# KiCad board access-controller.kicad_pcb (continued)
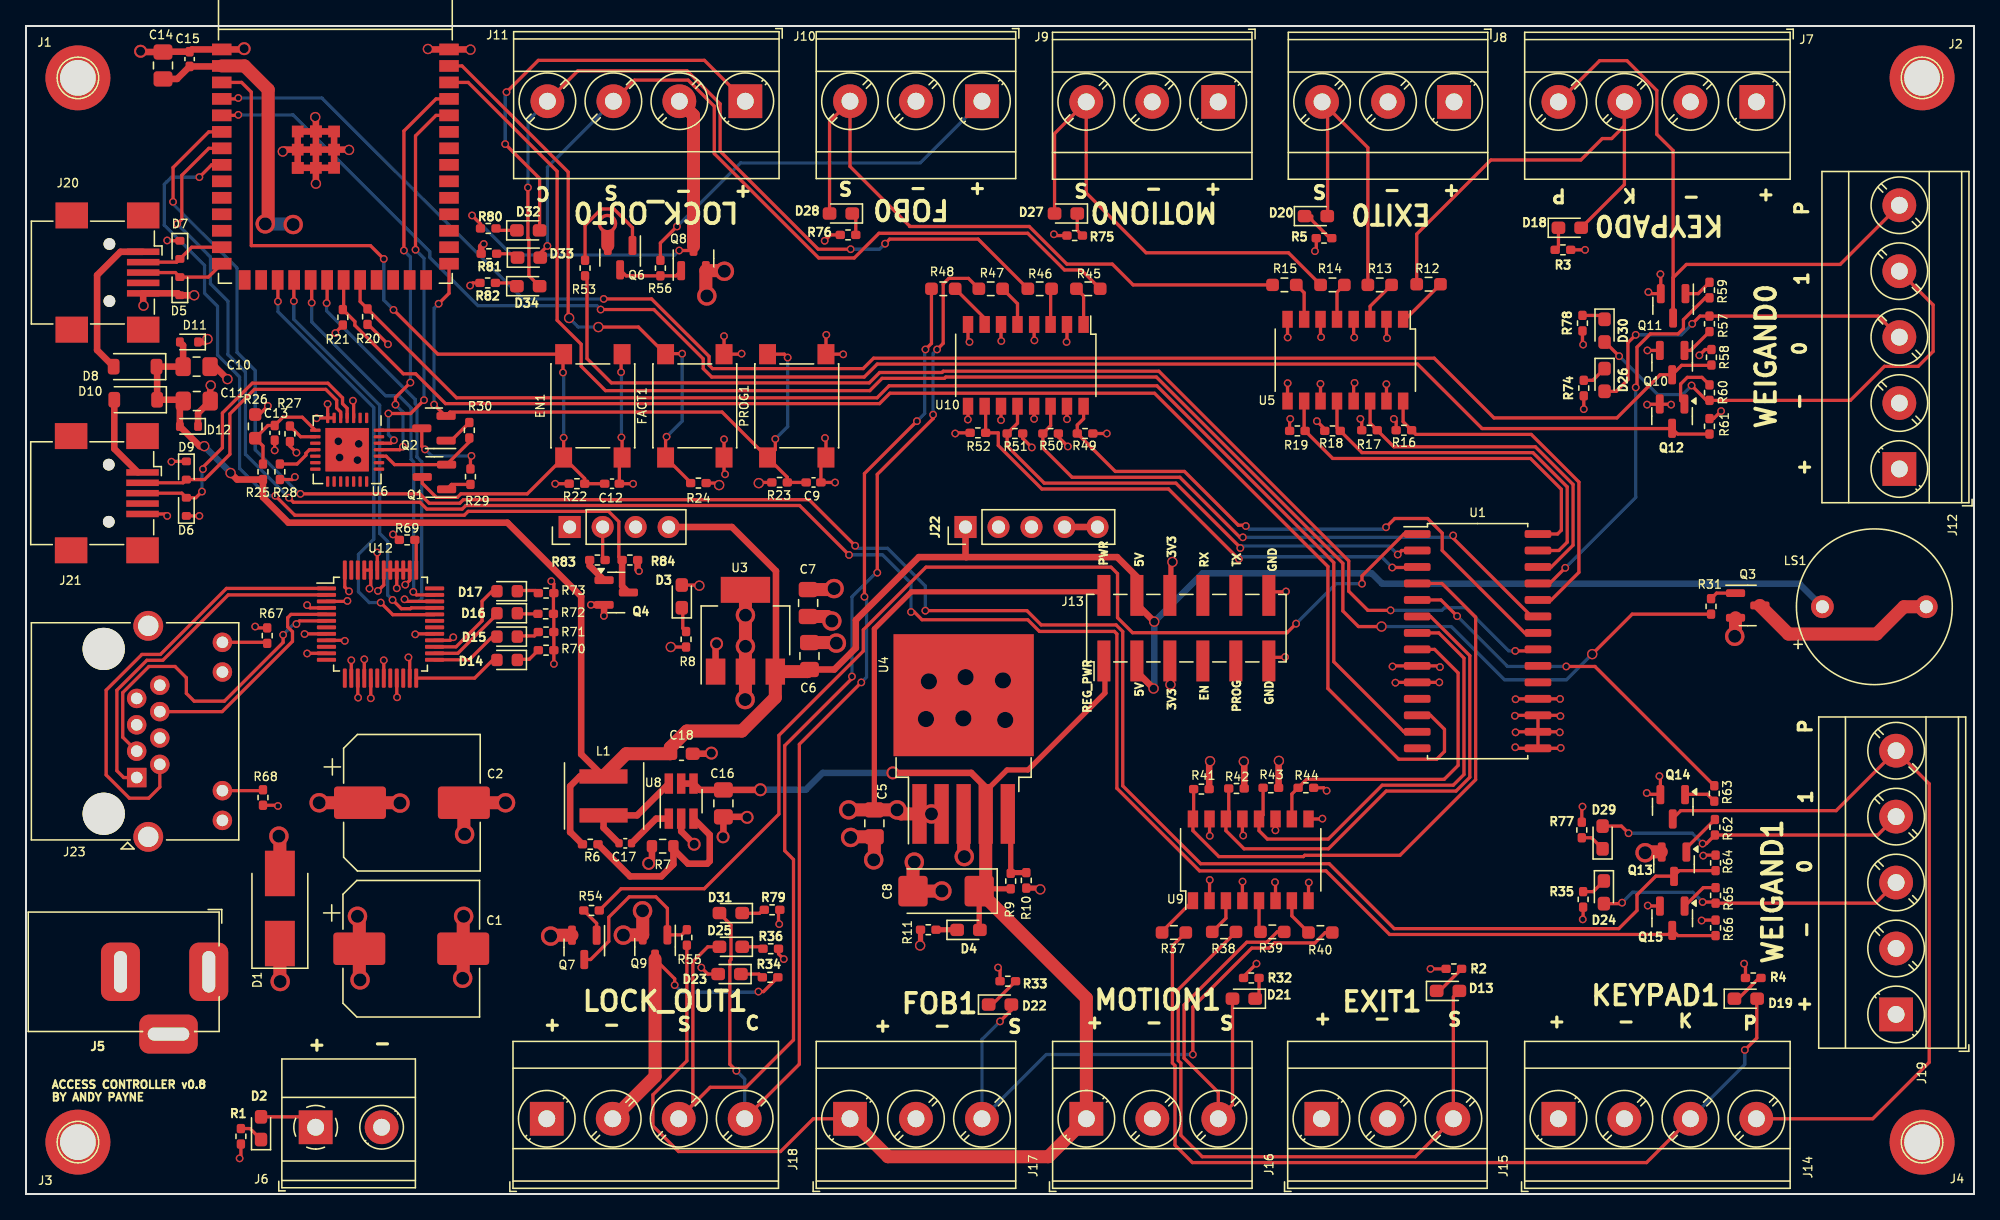
[diagram p0: board, top side]
## Routing (per net, layer and track width the routed paths; a pad name or vN(x,y) marks a point on that pad's centre or on a via; arc(x,y) is an arc through that point) (continued)
/MOTION0: length 37.6
  Top w0.25: R14.2 97.21,72.52 86.25,72.52 81.64,77.13 J9.3 79.2,81.71 D27.2
/MOTION0_SENSE: length 28.4
  Top w0.25: U5.12 100.95,59.05 R18.2 102.88,57.12 116.04,57.12 118.68,54.49 118.68,50.22 118.03,49.58 U1.27
/MOTION1: length 29.6
  Top w0.25: R39.2 96.34,20.2 95.54,19.4 94,19.4 89.18,14.57 89.18,10.47 91.81,7.84 J16.3 92.9,6.89 D21.2
/MOTION1_SENSE: length 34.9
  Top w0.25: U1.7 108.78,43.23 110.72,41.29 110.72,32.32 109.9,31.5 104.43,31.5 100.28,27.35 95.59,27.35 94.94,28 U9.12 95.26,29.21 R43.2
/POWER: length 92.9
  Top w0.25: R68.2 19.34,29.95 v2(19.4,29.9) ; v2(52,17.45) 52.5,16.95 D23.2 ; D2.2 21.5,5.95 ; v2(37,84.9) 39.45,87.35 52.24,87.35 J11.1 ; v2(36.9,80.9) 39.55,78.25 D32.2
  Top w0.4: C5.1 65.33,43.55 68.18,46.4 83.08,46.4
  Top w1: v1(19.58,16.38) 19.55,16.4 D1.1 ; v1(25.73,16.5) 25.67,16.56 C1.1 25.67,21.26 v1(25.53,21.4) ; v1(22.58,30.15) C2.1 28.78,30.15 v1(28.8,30.12) ; v1(63.35,29.6) C5.1 v1(67.08,29.6) 67.39,29.29 U4.1 v1(69.72,29.29) U4.2
  Bottom w0.25: v2(36.9,80.9) 36.9,84.8 v2(37,84.9)
/PUSH0: length 49.9
  Top w0.25: 126.83,68.27 126.83,70.6 127.85,71.62 139.69,71.62 J12.5 ; 126.83,68.27 126.83,80.39 125.58,81.65 125.58,85.02 123.28,87.32 121.18,87.32 J7.4 ; 126.83,68.27 Q11.3
/PUSH0_IO: length 28.5
  Top w0.25: v2(118.53,48.25) 117.32,47.04 ; v2(123.95,62.15) 124.05,62.25 124.05,65.25 125.08,66.27 127.21,66.27 127.62,66.69 127.62,67.37 129.31,69.05 R59.1
  Bottom w0.25: v2(123.95,62.15) 123.95,53.67 v2(118.53,48.25)
/PUSH1: length 59.5
  Top w0.25: 126.8,28.92 127.41,29.54 139.38,29.54 J19.5 146.55,31.61 146.55,10.15 142.2,5.8 J14.4
/PUSH1_IO: length 28.8
  Top w0.25: U1.5 108.95,45.77 v2(110.2,44.52) ; v2(118.6,40.65) 120.81,40.65 R63.1
  Bottom w0.25: v2(118.6,40.65) 114.08,40.65 v2(110.2,44.52)
/REG_POWER: length 154.6
  Top w0.25: J17.1 60.62,5.8 58.1,3.28 50.25,3.28 48.28,5.25 48.28,7.65 50.89,10.27 R55.2 ; v2(50.12,74.55) 48.85,73.27 R56.2
  Top w0.4: 83.08,41.35 83.08,38.6 77.15,32.67 75.54,32.67 73.9,31.04 ; C8.1 73.4,20.4 ; R9.1 73.58,23.52
  Top w0.5: v4(66.75,32.45) 72.79,32.45 73.9,31.34 ; v4(56.55,31.15) 56.54,31.14 C16.1 51.89,31.14 51.4,31.62 50.45,31.62
  Top w1: C8.1 81.65,15.09 J16.1 78.72,2.88 66.38,2.88 J17.1 ; U4.4 73.9,23.84
  Bottom w0.25: v2(50.12,74.55) 55.03,79.45 68.86,79.45 J10.1
  Bottom w0.5: v4(66.75,32.45) 61.35,32.45 60.05,31.15 v4(56.55,31.15)
/SCL: length 112.2
  Top w0.25: U1.12 108.15,36.88 109.22,35.81 109.22,34.1 108.62,33.5 105.7,33.5 100.25,38.95 100.25,48.35 86.9,61.7 66.52,61.7 65.72,60.9 32.3,60.9 30,63.2 29.05,63.2 25.33,66.93 25.33,67.22 R21.1 ; U7.21 24.46,68.21
/SCLK: length 31.3
  Top w0.25: v2(28.23,45.77) 28.9,45.1 29.6,45.1 29.67,45.16 U12.33 ; v2(20.62,68.8) 20.62,70.41
  Bottom w0.25: v2(20.62,68.8) 20.62,67.39 27.23,60.78 27.23,50.9 27.85,50.28 27.85,46.15 v2(28.23,45.77)
/SDA: length 102
  Top w0.25: U1.13 106.1,35.61 100.7,41.02 100.7,48.66 87.08,62.27 66.46,62.27 65.54,61.35 33.15,61.35 R20.2 25.73,68.77 U7.22
/WG0_DATA0: length 27.4
  Top w0.25: v2(128.3,67.05) 128.9,67.64 R57.2 142.63,67.64 J12.3 ; v2(123.95,66.2) 123.35,65.6 123.35,62.75 122.45,61.85 121.55,61.85
  Bottom w0.25: v2(123.95,66.2) 127.45,66.2 v2(128.3,67.05)
/WG0_DATA1: length 36.5
  Top w0.25: v2(128.25,62.3) 129.4,61.15 R60.2 140.47,61.15 143.1,63.77 145.7,63.77 146.85,64.92 146.85,68.5 J12.4 ; 121.58,65.65 v2(122.68,64.56)
  Bottom w0.25: v2(122.68,64.56) 125.63,61.6 127.55,61.6 v2(128.25,62.3)
/WG0_DATA_SENSE0: length 127.5
  Top w0.25: v2(16.35,84.45) 16.28,84.38 U7.4 ; v2(44.48,68.97) 48.17,68.97 52.6,64.54 52.6,63.86 52.86,63.6 64.46,63.6 65.26,64.4 108.44,64.4 113.04,59.8 122.5,59.8 125.82,63.12 Q10.3 127.48,63.85 129.63,63.85
  Bottom w0.25: v2(44.48,68.97) 38.27,68.97 22.79,84.45 v2(16.35,84.45)
/WG0_DATA_SENSE1: length 126.3
  Top w0.25: U7.5 16.31,83.11 v2(16.35,83.15) ; v2(44.25,68.15) 48.35,68.15 52.15,64.35 52.15,63.6 52.8,62.95 64.55,62.95 65.55,63.95 107.15,63.95 112.12,58.98 126.76,58.98 127.18,58.55 R61.1
  Bottom w0.25: v2(16.35,83.15) 20.55,83.15 31.1,72.61 31.1,72.16 34.8,68.45 43.95,68.45 v2(44.25,68.15)
/WG1_DATA0: length 23.7
  Top w0.25: J19.3 142.41,22.41 R65.2 ; v2(122.9,22.45) 122.83,22.38 D24.2 ; v2(129.1,22.5) 130.01,22.5
  Bottom w0.25: v2(129.1,22.5) 128.35,23.25 123.7,23.25 v2(122.9,22.45)
/WG1_DATA1: length 24
  Top w0.25: v2(123.4,27.8) 122.85,28.35 D29.2 ; J19.4 142.58,27.66 R62.2 129.39,27 v2(129.1,27)
  Bottom w0.25: v2(129.1,27) 128.3,27.8 v2(123.4,27.8)
/WG1_DATA_SENSE0: length 167.8
  Top w0.25: R64.1 127.3,24.92 126.87,24.49 125.49,24.49 124.05,23.05 124.05,21.85 122.65,20.45 105.35,20.45 100.35,25.45 90.45,25.45 84.45,31.45 84.45,43.34 83.94,43.85 78.17,43.85 77.07,44.95 v2(69.25,44.95) ; v2(11.33,76.45) 11.33,79.09 14.08,81.84 U7.6 ; v2(63.85,49.95) 60.3,53.5 33.68,53.5 33.4,53.22 31.05,53.22 30.32,53.95 v2(21.13,53.95)
  Bottom w0.25: v2(63.85,49.95) 64.05,49.75 66.35,49.75 69.25,46.85 v2(69.25,44.95) ; v2(11.33,76.45) 11.33,76.27 16.25,71.35 16.25,64.85 17.65,63.45 17.65,57.35 21.05,53.95 v2(21.13,53.95)
/WG1_DATA_SENSE1: length 165.1
  Top w0.25: v2(68.15,44.85) 68.4,44.85 69,44.25 77.14,44.25 78.04,43.35 83.81,43.35 84,43.16 84,31.26 90.36,24.9 100.1,24.9 105,20 126.47,20 126.79,20.32 127.2,19.91 R66.1 ; v2(11.65,74.75) 12,75.1 12,78.5 14.08,80.57 U7.7 ; v2(20.25,53.65) 20.6,53.3 30.34,53.3 30.86,52.77 33.59,52.77 33.86,53.05 59.57,53.05 v2(63.38,49.24)
  Bottom w0.25: v2(11.65,74.75) 14.2,72.2 14.2,70.14 15.55,68.79 15.55,64.69 16.9,63.34 16.9,57 v2(20.25,53.65) ; v2(63.38,49.24) 63.39,49.25 65.95,49.25 68.15,47.05 v2(68.15,44.85)
Net-(D2-K): length 1.9
  Top w0.25: D2.1 17.26,5.04 R1.2
Net-(D3-K): length 1.9
  Top w0.25: R8.2 50.57,43.59 50.57,45.17
Net-(D4-K): length 1.4
  Top w0.4: R11.2 71.45,20.36
Net-(D8-A): length 11.9
  Top w0.5: D8.2 5.48,65.02 5.48,70.8 7.28,72.6 J20.1
Net-(D10-A): length 6.4
  Top w0.5: D10.2 6.8,57.42 8.62,55.6
Net-(D13-K): length 2.4
  Top w0.25: 108.84,15.65 R2.2
Net-(D14-A): length 6.5
  Top w0.25: U12.24 34.55,39.75 36,41.2
Net-(D14-K): length 2
  Top w0.25: 37.75,41.2 38.75,41.2 R70.1
Net-(D15-A): length 5.3
  Top w0.25: 35.97,43 34.13,41.16 U12.25
Net-(D15-K): length 1.9
  Top w0.25: 37.72,43 39.15,43 R71.1
Net-(D16-A): length 6
  Top w0.25: U12.26 33.25,41.66 35.97,44.38 35.97,44.7
Net-(D16-K): length 1.7
  Top w0.25: 37.72,44.7 R72.1
Net-(D17-A): length 7.2
  Top w0.25: 35.95,46.5 35.12,45.67 35.12,44.16 33.12,42.16 U12.27
Net-(D17-K): length 1.8
  Top w0.25: 37.7,46.5 39.25,46.5 R73.1
Net-(D18-K): length 1.8
  Top w0.25: R3.2 118,73 D18.1
Net-(D19-K): length 2.3
  Top w0.25: 133.45,16.65 131.85,15.05
Net-(D20-K): length 2.8
  Top w0.25: 100.4,73.65 99,75.05 99,75.35 98.47,75.35
Net-(D21-K): length 1.3
  Top w0.25: R32.2 94.95,15.34
Net-(D22-K): length 2.5
  Top w0.25: 74.4,14.6 R33.2
Net-(D23-K): length 1.8
  Top w0.25: R34.2 56.45,16.95 D23.1
Net-(D24-K): length 1.9
  Top w0.25: R35.2 120.68,23.3 D24.1
Net-(D25-K): length 1.4
  Top w0.25: 55.18,19.05 56.6,19.05
Net-(D26-K): length 2
  Top w0.25: 121.55,63.6 120.65,62.7 R74.2
Net-(D27-K): length 1.9
  Top w0.25: R75.2 80.95,74.25 D27.1
Net-(D28-K): length 1.4
  Top w0.25: R76.2 63.9,75.28
Net-(D29-K): length 2
  Top w0.25: D29.1 120.55,27.45 R77.2
Net-(D30-K): length 1.4
  Top w0.25: 119.85,67.69 121.25,67.69
Net-(D31-K): length 1.7
  Top w0.25: 55.15,21.63 56.48,21.63 56.75,21.9
Net-(D32-K): length 1.5
  Top w0.25: D32.1 36.35,74.25
Net-(D33-K): length 1.3
  Top w0.25: 36.25,72.45 37.53,72.45
Net-(D34-K): length 1.4
  Top w0.25: R82.2 37.54,70.2
Net-(J23-Pad10): length 3.1
  Top w0.25: J23.10 18.18,31.08
Net-(J23-Pad12): length 3.4
  Top w0.25: J23.12 18.49,42.51
Net-(Q1-B): length 2
  Top w0.25: Q1.1 32.76,54.67 R29.2
Net-(Q2-B): length 2
  Top w0.25: 32.74,58.05 R30.2
Net-(Q3-B): length 2.1
  Top w0.25: R31.2 130.18,46.3 Q3.1
Net-(Q3-C): length 14.6
  Top w1: Q3.3 135.71,43.15 142.5,43.15 144.6,45.25 LS1.2
Net-(Q4-B): length 2
  Top w0.5: R83.1 43.4,48.41 Q4.1
Net-(Q6-B): length 8.8
  Top w0.25: R53.1 43.05,74.64 44.31,75.9 45.27,75.9 46.7,74.47 Q6.1
Net-(Q6-C): length 5.1
  Top w0.25: Q6.3 46.21,70.75 R56.1 50.05,70.75 Q8.1
Net-(Q7-B): length 2.3
  Top w0.25: Q7.1 43.94,20.86 R54.1
Net-(Q7-C): length 13.6
  Top w0.25: Q7.3 43.48,18.07 44.88,19.47 44.88,21.32 46.45,22.9 48.5,22.9 49.39,22.01 Q9.1 50.49,19.97 R55.1
Net-(Q10-B): length 2.5
  Top w0.25: R57.1 128.18,65 Q10.1
Net-(Q11-B): length 2.2
  Top w0.25: R59.2 128.76,69.38 Q11.1
Net-(Q12-B): length 4.4
  Top w0.25: 129.63,62.34 129.05,62.92 127.92,62.92 127.41,62.41 127.41,61.16 127.71,60.86
Net-(Q13-B): length 3.2
  Top w0.25: 127.82,26.63 R62.1
Net-(Q14-B): length 2.5
  Top w0.25: 127.75,30.8 129.47,30.8 R63.2
Net-(Q15-B): length 2.9
  Top w0.25: 127.74,22.2 129.15,23.61 R65.1
Net-(R12-Pad1): length 3.8
  Top w0.25: 106.21,67.4 R12.1
Net-(R13-Pad1): length 3.3
  Top w0.25: U5.3 103.5,68.4 R13.1
Net-(R14-Pad1): length 2.9
  Top w0.25: U5.5 100.95,69.49 R14.1
Net-(R15-Pad1): length 2.9
  Top w0.25: R15.1 98.42,69.44 U5.7
Net-(R37-Pad1): length 3.4
  Top w0.25: 87.48,20.22 U9.1
Net-(R38-Pad1): length 2.8
  Top w0.25: R38.1 92.4,21.25 U9.3
Net-(R39-Pad1): length 2.3
  Top w0.25: U9.5 94.94,20.31
Net-(R40-Pad1): length 3
  Top w0.25: 98.75,20.15 97.47,21.43 U9.7
Net-(R45-Pad1): length 3
  Top w0.25: U10.1 81.44,69.2 R45.1
Net-(R46-Pad1): length 2.7
  Top w0.25: U10.3 78.9,69.68
Net-(R47-Pad1): length 3.2
  Top w0.25: U10.5 76.35,68.6 R47.1
Net-(R48-Pad1): length 3.2
  Top w0.25: 73.82,67.48 R48.1
Net-(U4-Feedback): length 5.5
  Top w0.4: R9.2 75.83,29.06 ; 77.03,24.77 75.88,24.77
Net-(U6-VBUS): length 8
  Top w0.25: U6.8 21.28,59.85 19.79,59.85 C13.1 18.63,59.22 R26.2 18.25,57.63 R25.1
Net-(U6-~{RST}): length 2.3
  Top w0.25: U6.9 21.15,58.35 R27.2
Net-(U6-~{SUSPEND}): length 3.3
  Top w0.25: R28.1 20.87,56.25 21.56,56.93 21.56,57.07 21.83,57.35 U6.11
Net-(U8-BS): length 3.7
  Top w0.5: U8.1 48.53,28.92 C17.1
Net-(U8-FB): length 15.8
  Top w0.5: R7.1 49.85,25.4 48.93,24.47 46.52,24.47 R6.2 ; U8.3 52.65,27.67 52.65,25.65 52.45,25.45 50.97,25.45 49.85,26.57
Net-(U8-SW): length 8.7
  Top w0.5: 49.5,31.62 47.05,29.17 L1.1 44.48,28.21 C17.2
Net-(U12-~{RST}): length 2.2
  Top w0.25: U12.37 30.05,50.3

## Copper pours and planes (outline as drawn; the poured copper is in the pictures)
/3V3 on In2.Cu: 16.78,37.02 16.58,76.17 135.25,76.25 135.18,18.72 81.43,18.65 81.9,37.17
GND on In1.Cu: 0.05,89.95 149.9,89.9 149.9,0 0.1,0.1
/POWER on In2.Cu: 0.55,89.1 58.43,89.65 58.47,81.3 12.25,81.47 12.9,46.2 12.9,32.47 76.18,32.95 76.62,0.62 0.7,0.25
/REG_POWER on In2.Cu: 80.2,8.82 136.58,9.07 136.72,80.67 61.35,80.12 61.33,88.95 149.6,89.8 149.7,0.4 80.1,0.88

## Text on the board
F.Silkscreen: ACCESS CONTROLLER v0.8 / BY ANDY PAYNE | REG_PWR | PWR | 5V | 3V3 | RX | EN | TX | PROG | GND | + | - | S | C | K | P | 0 | 1 | LOCK_OUT1 | FOB1 | MOTION1 | EXIT1 | KEYPAD1 | WEIGAND0 | WEIGAND1 | LOCK_OUT0 | FOB0 | MOTION0 | EXIT0 | KEYPAD0
